# Altium PCB RP2040_ESP32-C3 Dev Board.PcbDoc (part 2 of 2)
Units mm, origin at the board's own origin, x right, y up, seen from the top; angles counter-clockwise.
Board outline 74.1 x 34.1 mm, 6 copper layers (Top Layer, Layer 2, GND Plane, PWR Plane, Layer 5, Bottom Layer), stack 1.412 mm thick; 136 components, 117 nets, 551 pads, 238 vias.
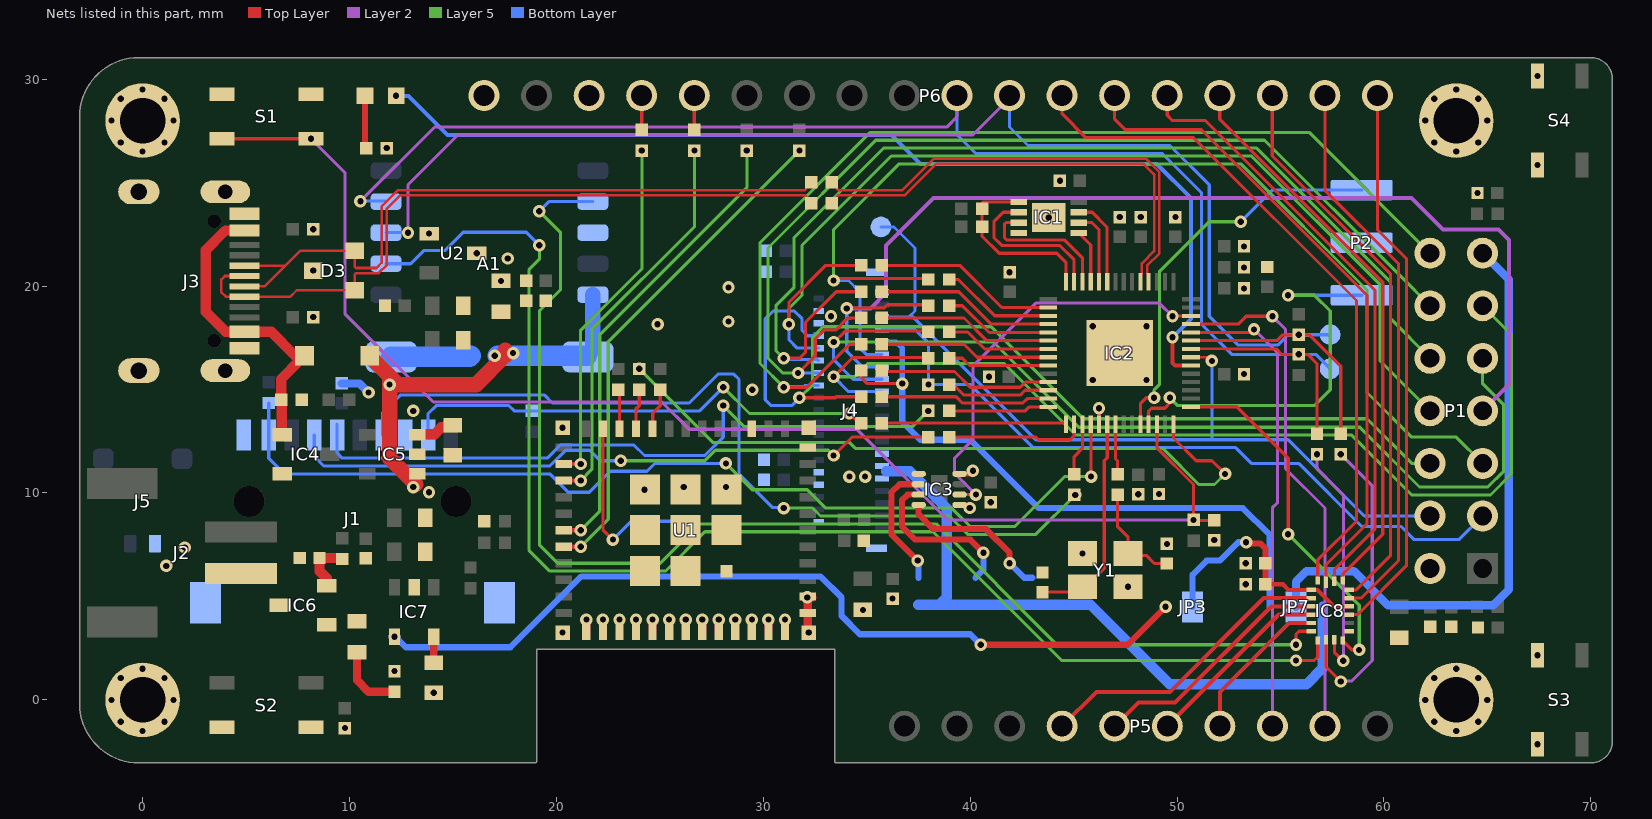
[diagram p6: the nets of this part, all layers, seen from the top]

## Via types
v1: diameter 0.6, hole 0.3, Top Layer to Bottom Layer, tented both sides, 206 vias
v2: diameter 0.5, hole 0.3, Top Layer to Bottom Layer, tented both sides, 32 vias

## Nets (pads, with @x,y where several pads share a name; then routed paths per layer and width w, separated by ;. In a path a pad name is that pad's centre, name@x,y a point inside that pad or via, vN(x,y) a via of type N, cw(c..) or ccw(c..) an arc to the next point about the centre after c; other vN are vias at no path point) (continued)
ESP_TX_RP_RX: IC2.28 R37.2 | length 34.7
  Top Layer w0.15: IC2.28@49.828,13.314 49.828,12.656 50.927,11.557 51.689,11.557 v1(52.324,10.922)
  Layer 5 w0.15: v1(24.003,16.002) 27.559,12.446 34.163,12.446 34.451,12.158 49.31,12.158 51.054,10.414 51.816,10.414 v1(52.324,10.922)
ESP_USB_DN: P6.15 R41.2 | length 1.5
  Top Layer w0.152: R41.2@24.13,27.551 24.126,27.555 24.126,29.079 P6.15@24.13,29.083
ESP_USB_DP: P6.14 R40.2 | length 1.6
  Top Layer w0.152: R40.2@26.67,27.551 26.666,27.555 26.666,28.952 P6.14@26.797,29.083
GND: A1.8 C1.1 C2.1 C3.1 C4.1 C5.1 C6.1 C7.1 C8.1 C9.1 C10.1 C11.1 C12.1 C13.1 C14.1 C15.1 C16.1 C17.1 C18.1 C19.1 C20.1 C21.1 C23.1 C24.1 C25.1 C26.1 C27.1 C28.1 C29.1 C30.1 C31.1 C32.1 C33.1 C34.1 C35.1 C36.1 C37.1 C38.1 C39.1 C40.1 C41.1 C42.1 C43.1 C44.1 D3.3 IC1.4 IC1.9 IC2.19 IC2.57 IC3.1 IC3.4 IC4.3 IC5.2 IC6.1 IC7.2 IC8.11 J1.6 J1.10 J1.S J3.A1/B12 J3.B1/A12 J3.S1 J3.S2 J3.S3 J3.S4 J4.1 J4.4 J4.6 J4.27 J4.38 J4.MP1 J4.MP2 JP1.1 JP2.1 MH1.1 MH2.1 MH3.1 MH4.1 P1.2 P2.2 P6.16 R23.1 R30.1 R45.1 R46.1 R47.1 R50.1 R51.1 S1.3 S1.4 S2.1 S2.2 S3.1 S3.2 S4.1 S4.2 U1.1 U1.2 U1.11 U1.14 U1.36 U1.37 U1.38 U1.39 U1.40 U1.41 U1.42 U1.43 U1.44 U1.45 U1.46 U1.47 U1.48 U1.49_1 U1.49_2 U1.49_3 U1.49_4 U1.49_5 U1.49_6 U1.49_7 U1.49_8 U1.49_9 U1.50 U1.51 U1.52 U1.53 U2.1 Y1.2 Y1.4 | length 13.4
  Top Layer w0.2: IC2.19@46.228,13.314 v1(46.228,14.097)
  Top Layer w0.25: IC3.1@39.49,9.425 39.832,9.425 v1(39.982,9.275) ; IC3.4@39.49,10.925 39.982,10.925 v1(40.132,11.075)
  Top Layer w0.4: U1.36@21.45,3.3 v1(21.45,3.879) ; U1.37@22.25,3.3 v1(22.25,3.879) ; U1.38@23.05,3.3 v1(23.05,3.879) ; U1.39@23.85,3.3 v1(23.85,3.879) ; U1.40@24.65,3.3 v1(24.65,3.879) ; U1.41@25.45,3.3 v1(25.45,3.879) ; U1.42@26.25,3.3 v1(26.25,3.879) ; U1.43@27.05,3.3 v1(27.05,3.879) ; U1.44@27.85,3.3 v1(27.85,3.879) ; U1.45@28.65,3.3 v1(28.65,3.879) ; U1.46@29.45,3.3 v1(29.45,3.879) ; U1.47@30.25,3.3 v1(30.25,3.879) ; U1.48@31.05,3.3 v1(31.05,3.879) ; v1(32.131,4.953) U1.2@32.164,4.986 ; v1(32.2,3.25) 32.15,3.3 U1.1@32.15,4.2 U1.2@32.15,5 ; U1.2@32.15,5 32.338,5 32.385,4.953 32.197,4.953 U1.2@32.164,4.986 ; U1.2@32.15,5 U1.2@32.164,4.986
  Bottom Layer w0.4: C16.1@9.627,15.296 10.485,15.296 v1(10.922,14.859)
  other v1: 67.426,-2.142 9.779,-1.364 14.075,0.345 67.426,2.158 20.3,3.25 34.818,4.35 36.25,4.893 47.635,5.472 53.325,5.588 53.325,6.604 45.435,7.072 49.514,7.541 51.8,7.725 41,9.556 48.128,9.939 49.128,9.953 24.257,10.16 26.162,10.287 28.194,10.287 20.3,13.15 13.081,13.97 29.464,14.986 45.928,15.464 48.528,15.464 40.911,15.621 53.24,15.748 45.928,18.064 48.528,18.064 24.892,18.161 28.321,18.288 8.25,18.5 33.274,18.542 53.24,19.888 28.321,19.939 41.91,20.668 8.25,20.75 53.24,20.904 53.24,21.92 13.848,22.54 8.25,22.75 43.799,23.317 47.228,23.335 48.244,23.335 49.92,23.335 64.525,24.5 44.34,25.095 67.426,25.858 11.803,26.67 67.426,30.158
  other v2: 0,-1.5 63.5,-1.5 -1.061,-1.061 1.061,-1.061 62.439,-1.061 64.561,-1.061 -1.5,0 1.5,0 62,0 65,0 -1.061,1.061 1.061,1.061 62.439,1.061 64.561,1.061 0,1.5 63.5,1.5 0,26.5 63.5,26.5 -1.061,26.939 1.061,26.939 62.439,26.939 64.561,26.939 -1.5,28 1.5,28 62,28 65,28 -1.061,29.061 1.061,29.061 62.439,29.061 64.561,29.061 0,29.5 63.5,29.5
GPIO0: IC2.2 R3.2 | length 8.9
  Top Layer w0.152: R3.2@35.733,21.001 39.499,21.001 41.536,18.964 IC2.2@43.778,18.964
GPIO1: IC2.3 R4.2 | length 5.5
  Top Layer w0.152: R4.2@38.981,20.32 39.43,20.32 41.186,18.564 IC2.3@43.778,18.564
GPIO2: IC2.4 R5.2 | length 8.7
  Top Layer w0.152: R5.2@35.733,19.731 39.451,19.731 41.018,18.164 IC2.4@43.778,18.164
GPIO3: IC2.5 R6.2 | length 5.3
  Top Layer w0.152: R6.2@38.981,19.05 39.624,19.05 40.91,17.764 IC2.5@43.778,17.764
GPIO4: IC2.6 R7.2 | length 8.5
  Top Layer w0.152: R7.2@35.733,18.461 39.705,18.461 40.802,17.364 IC2.6@43.778,17.364
GPIO5: IC2.7 R8.2 | length 5.1
  Top Layer w0.152: R8.2@38.981,17.78 39.878,17.78 40.694,16.964 IC2.7@43.778,16.964
GPIO6: IC2.8 R9.2 | length 8.3
  Top Layer w0.152: R9.2@35.733,17.191 39.705,17.191 40.332,16.564 IC2.8@43.778,16.564
GPIO7: IC2.9 R10.2 | length 4.9
  Top Layer w0.152: R10.2@38.981,16.51 39.624,16.51 39.97,16.164 IC2.9@43.778,16.164
GPIO8: IC2.11 R11.2 | length 8.5
  Top Layer w0.152: R11.2@35.733,15.921 35.779,15.875 39.243,15.875 40.005,15.113 42.418,15.113 42.669,15.364 IC2.11@43.778,15.364
GPIO9: IC2.12 R12.2 | length 5.1
  Top Layer w0.152: R12.2@38.981,15.24 39.197,15.24 39.705,14.732 42.418,14.732 42.65,14.964 IC2.12@43.778,14.964
GPIO10: IC2.13 R13.2 | length 8.3
  Top Layer w0.152: R13.2@35.733,14.651 39.324,14.651 39.624,14.351 42.545,14.351 42.758,14.564 IC2.13@43.778,14.564
GPIO11: IC2.14 R14.2 | length 4.9
  Top Layer w0.152: R14.2@38.981,13.97 42.672,13.97 42.866,14.164 IC2.14@43.778,14.164
GPIO12: IC2.15 R15.2 | length 8.9
  Top Layer w0.152: R15.2@35.733,13.381 44.561,13.381 IC2.15@44.628,13.314
GPIO13: IC2.16 R16.2 | length 6.7
  Top Layer w0.152: R16.2@38.981,12.7 43.18,12.7 43.307,12.573 44.831,12.573 45.028,12.77 IC2.16@45.028,13.314
I2C_SCL: A1.3 IC2.37 P6.8 R19.1 R25.1 TP12.1 | length 70.9
  Top Layer w0.152: IC2.37@50.678,17.364 54.829,17.364 55.11,17.645 v1(55.88,17.645) 56.396,17.645 57.912,16.129 R25.1@57.912,12.873
  Layer 2 w0.15: v1(12.827,22.582) 12.827,24.892 15.24,27.305 40.132,27.305 41.906,29.079 P6.8@41.906,29.21
  Bottom Layer w0.15: A1.3@11.764,22.582 v1(12.827,22.582) ; P6.8@41.906,29.21 41.906,27.69 42.799,26.797 49.657,26.797 51.56,24.894 51.56,18.544 52.959,17.145 54.864,17.145 55.364,17.645 v1(55.88,17.645) 55.884,17.649 57.4,17.649 TP12.1@57.404,17.653
I2C_SDA: A1.4 IC2.36 P6.9 R18.1 R26.1 TP11.1 | length 70.9
  Top Layer w0.127: IC2.36@50.678,16.964 52.324,16.964
  Top Layer w0.152: 52.324,16.964 54.791,16.964 55.053,16.702 v1(55.88,16.702) 56.323,16.702 56.769,16.256 R26.1@56.769,12.873 ; R26.1@56.896,12.873 R26.1@56.904,12.881
  Layer 2 w0.15: v1(10.527,24.106) 14.107,27.686 38.862,27.686 39.366,28.19 P6.9@39.366,29.21
  Bottom Layer w0.15: v1(10.527,24.106) 11.74,24.106 A1.4@11.764,24.082 ; P6.9@39.366,29.21 39.366,27.309 40.259,26.416 49.276,26.416 51.181,24.511 51.181,18.161 52.64,16.702 v1(55.88,16.702) 56.704,16.702 TP11.1@57.404,16.002
IO6: R36.2 U1.20 | length 2
  Top Layer w0.165: U1.20@24.65,13.1 24.65,13.855 25.019,14.224 R36.2@25.019,14.994
IO7: R37.1 U1.21 | length 2
  Top Layer w0.165: U1.21@23.85,13.1 23.85,14.071 24.003,14.224 R37.1@24.003,14.994
IO8: R38.1 U1.22 | length 1.9
  Top Layer w0.165: R38.1@22.987,14.994 23.05,14.931 U1.22@23.05,13.1
IO9: JP2.2 U1.23 | length 8.7
  Top Layer w0.152: U1.23@22.25,13.1 22.25,8.23 v1(22.733,7.747)
  Bottom Layer w0.152: v1(22.733,7.747) 23.622,8.636 JP2.2@25.512,8.636
IO18: R41.1 U1.26 | length 17.2
  Top Layer w0.2: U1.26@20.35,11.4 v1(21.175,11.4)
  Layer 5 w0.15: v1(21.175,11.4) 21.175,17.873 21.908,18.605 24.13,20.828 v1(24.13,26.551)
IO19: R40.1 U1.27 | length 19.1
  Top Layer w0.2: U1.27@20.35,10.6 v1(21.175,10.6)
  Layer 5 w0.15: v1(21.175,10.6) 21.717,11.142 21.717,17.907 26.67,22.86 v1(26.67,26.551)
IO_INT: IC2.29 IC8.10 | length 17.4
  Top Layer w0.165: IC2.29@50.678,14.164 52.892,14.164 55.372,11.684 v1(55.372,8.001) ; IC8.10@58.004,2.863 58.454,2.413 v1(58.801,2.413)
  Layer 5 w0.165: v1(55.372,8.001) 58.801,4.572 v1(58.801,2.413)
LCD_BL_PWM: IC2.40 IC3.2 | length 19.9
  Top Layer w0.152: IC3.2@39.49,9.925 v1(40.28,9.925) ; v1(49.784,18.542) 49.795,18.553 50.667,18.553 IC2.40@50.678,18.564
  Layer 2 w0.152: v1(40.28,9.925) 39.243,10.962 39.243,11.684 40.132,12.573 40.132,16.129 43.18,19.177 49.149,19.177 v1(49.784,18.542)
LCD_DC: J4.7 P1.3 R12.1 | length 34.9
  Bottom Layer w0.152: J4.7@35.74,17.899 37.346,17.899 37.981,17.264 v1(37.981,15.24) 40.005,15.24 43.053,12.192 52.832,12.192 53.594,11.43 55.88,11.43 58.928,8.382 60.833,8.382 61.468,7.747 63.627,7.747 P1.3@64.77,8.89
LCD_RD: J4.8 P1.6 R13.1 | length 48.4
  Top Layer w0.152: v1(31.75,14.605) 33.482,14.605 33.528,14.651 R13.1@34.733,14.651
  Layer 5 w0.152: v1(31.75,14.605) 32.385,15.24 32.385,17.526 32.893,18.034 41.021,18.034 45.466,13.589 59.182,13.589 61.341,11.43 P1.6@62.23,11.43
  Bottom Layer w0.152: v1(31.75,14.605) 31.369,14.224 30.387,14.224 30.099,14.512 30.099,18.415 30.48,18.796 31.496,18.796 31.877,18.415 31.877,17.854 32.131,17.6 J4.8@32.675,17.6
LCD_RESET: IC2.35 J4.5 P1.4 TP7.1 | length 40.9
  Top Layer w0.127: IC2.35@50.678,16.564 51.508,16.564 v1(51.689,16.383)
  Bottom Layer w0.152: TP7.1@35.687,22.86 36.322,22.86 37.338,21.844 37.338,18.796 37.042,18.5 ; J4.5@35.74,18.5 37.042,18.5 ; v1(51.689,16.383) 51.689,12.573 ; P1.4@62.23,8.89 59.055,8.89 55.372,12.573 51.689,12.573 ; 37.042,18.5 37.253,18.5 43.18,12.573 51.689,12.573
LCD_SPI_IO0: J4.10 P1.8 R3.1 | length 51.1
  Top Layer w0.152: v1(31.242,18.161) 31.242,19.223 33.02,21.001 R3.1@34.733,21.001
  Layer 5 w0.15: v1(31.242,18.161) 31.242,18.923 31.877,19.558 31.877,21.971 36.195,26.289 53.594,26.289 59.817,20.066 59.817,16.383 P1.8@62.23,13.97
  Bottom Layer w0.152: v1(31.242,18.161) 31.242,17.399 31.641,17 J4.10@32.675,17
LCD_SPI_IO1: J4.11 P1.5 R4.1 | length 53.7
  Top Layer w0.152: v1(33.401,20.271) 33.496,20.366 37.654,20.366
  Layer 5 w0.15: v1(33.401,20.271) 33.401,22.733 36.576,25.908 53.086,25.908 59.182,19.812 59.182,14.859 61.341,12.7 63.5,12.7 P1.5@64.77,11.43
  Bottom Layer w0.152: v1(33.401,20.271) 34.123,20.271 34.671,19.723 34.671,17 34.971,16.7 J4.11@35.74,16.7
LCD_SPI_IO2: J4.12 P1.10 R5.1 | length 51.8
  Top Layer w0.152: v1(30.988,16.51) 31.75,16.51 32.045,16.805 32.045,18.247 33.528,19.731 R5.1@34.733,19.731
  Layer 5 w0.15: v1(30.988,16.51) 30.607,16.891 30.607,19.05 31.496,19.939 31.496,22.352 35.814,26.67 53.848,26.67 60.325,20.193 60.325,18.415 P1.10@62.23,16.51
  Bottom Layer w0.152: v1(30.988,16.51) 31.044,16.454 32.619,16.454 J4.12@32.675,16.399
LCD_SPI_IO3: J4.13 P1.7 R6.1 | length 53
  Top Layer w0.152: v1(34.036,18.923) 34.052,18.939 35.835,18.939 35.992,19.096 37.654,19.096
  Layer 2 w0.2: v1(34.036,18.923) 35.179,18.923 35.941,19.685 35.941,21.971 38.227,24.257 61.341,24.257 62.865,22.733 65.532,22.733 66.04,22.225 66.04,15.24 P1.7@64.77,13.97
  Bottom Layer w0.152: v1(34.036,18.923) 34.036,16.849 34.785,16.1 J4.13@35.74,16.1
LCD_SPI_IO4: J4.14 P1.12 R7.1 | length 50.2
  Top Layer w0.152: v1(31.686,15.8) 32.512,16.626 32.512,17.445 32.942,17.875 33.496,17.875 34.066,18.445 34.234,18.445 34.249,18.461 R7.1@34.733,18.461
  Layer 5 w0.15: v1(31.686,15.8) 30.936,15.8 30.226,16.51 30.226,21.844 35.433,27.051 54.229,27.051 60.833,20.447 P1.12@62.23,19.05
  Bottom Layer w0.152: v1(31.686,15.8) J4.14@32.675,15.8
LCD_SPI_IO5: J4.15 P1.9 R8.1 | length 49.5
  Top Layer w0.152: v1(33.411,17.296) 33.425,17.296 33.955,17.826 37.654,17.826
  Layer 5 w0.152: v1(33.411,17.296) 41.124,17.296 45.242,13.178 58.831,13.178 61.722,10.287 65.024,10.287 65.786,11.049 65.786,14.266 64.77,15.282 P1.9@64.77,16.51
  Bottom Layer w0.152: v1(33.411,17.296) 33.401,17.286 33.401,16.435 34.336,15.5 J4.15@35.74,15.5
LCD_SPI_IO6: J4.16 P1.14 R9.1 | length 50.6
  Top Layer w0.152: v1(30.988,15.113) 32.1,15.113 34.178,17.191 R9.1@34.733,17.191
  Layer 5 w0.15: v1(30.988,15.113) 29.845,16.256 29.845,22.098 35.179,27.432 56.388,27.432 P1.14@62.103,21.717
  Bottom Layer w0.152: v1(30.988,15.113) 31.94,15.113 32.027,15.2 J4.16@32.675,15.2
LCD_SPI_IO7: J4.17 P1.11 R10.1 | length 52.1
  Top Layer w0.152: v1(33.401,15.621) 34.336,16.556 37.654,16.556
  Layer 5 w0.15: v1(33.401,15.621) 34.417,15.621 35.052,16.256 41.656,16.256 45.115,12.797 58.45,12.797 61.341,9.906 65.151,9.906 66.167,10.922 66.167,17.653 P1.11@64.77,19.05
  Bottom Layer w0.152: v1(33.401,15.621) 34.122,14.9 J4.17@35.74,14.9
LCD_WR: J4.9 JP7.3 R11.1 | length 30.6
  Top Layer w0.152: R11.1@34.733,15.921 34.733,15.586 35.033,15.286 v1(36.719,15.286)
  Bottom Layer w0.25: J4.9@35.74,17.3 36.421,17.3 36.719,17.002 v1(36.719,15.286) ; JP7.3@54.45,4.5 54.45,8.001
  Bottom Layer w0.3: v1(36.719,15.286) 36.719,13.446 37.592,12.573 40.005,12.573 43.307,9.271 53.18,9.271 54.45,8.001
LED: D1.1 IC2.34 | length 49.8
  Top Layer w0.2: v1(49.784,17.526) 49.784,16.291 49.911,16.164 IC2.34@50.678,16.164
  Bottom Layer w0.2: v1(12.25,29.2) 12.263,29.187 12.85,29.187 14.732,27.305 36.2,27.305 37.595,25.911 49.019,25.911 50.673,24.257 50.673,18.415 v1(49.784,17.526)
LED_K: IC3.5 J4.29 J4.30 J4.31 J4.32 JP5.2 JP6.2 JP7.1 JP8.2 | length 32.9
  Bottom Layer w0.5: 35.941,11.049 37.084,11.049 38.862,9.271 38.862,4.953 38.509,4.6 ; JP8.2@37.5,4.6 38.509,4.6 ; JP7.1@57.05,4.5 57.05,1.551 56.261,0.762 49.657,0.762 45.819,4.6 43.279,4.6 JP5.2@43,4.6 JP6.2@40.25,4.6 38.509,4.6
  other v1: 34.163,10.795 34.925,10.795
NetA1_12: A1.12 C27.2 C28.2 JP4.2 U2.2 | length 3.9
  Bottom Layer w1: A1.12@12.014,16.582 15.805,16.582 JP4.2@15.86,16.637
  other v1: 17.324,20.25 17.653,21.336 16.148,21.59
NetC6_2: C6.2 IC2.20 Y1.1 | length 10.5
  Top Layer w0.152: C6.2@43.5,5.207 45.339,5.207 46.482,6.35 46.482,11.557 46.628,11.703 IC2.20@46.628,13.314
NetC9_2: C9.2 R17.1 Y1.3 | length 5.1
  Top Layer w0.152: R17.1@47.128,9.914 47.128,8.371 47.635,7.864 Y1.3@47.635,7.072 47.722,6.985 48.514,6.985 48.908,6.591 C9.2@49.514,6.591
NetC22_1: C22.1 IC6.2 J2.1 J5.2
  other v1: 1.143,6.477 2.032,7.366
NetC22_2: C22.2 IC6.3 R49.2 | length 2.6
  Top Layer w0.5: IC6.3@8.897,5.522 8.897,5.878 8.552,6.223 C22.2@8.552,6.858 9.602,6.858 R49.2@9.652,6.808
NetC29_2: C29.2 R53.1 | length 3.4
  Top Layer w0.4: C29.2@10.362,2.3 10.362,0.949 10.922,0.389 R53.1@12.175,0.389
NetC35_2: C35.2 C36.2 IC8.1 IC8.14 JP3.2 | length 12.1
  Top Layer w0.2: C36.2@54.275,5.588 55.118,5.588 55.388,5.318 IC8.1@56.486,5.318 56.785,5.318 57.585,4.518 IC8.14@58.322,4.518
  Top Layer w0.3: v1(53.34,7.62) 53.397,7.563 54.032,7.563 54.275,7.32 C35.2@54.275,6.604 C36.2@54.275,5.588
  Bottom Layer w0.3: JP3.2@50.75,4.5 50.75,6.046 51.435,6.731 52.07,6.731 52.959,7.62 v1(53.34,7.62)
NetD1_2: D1.2 R23.2 | length 2.6
  Top Layer w0.3: D1.2@10.75,29.2 10.75,26.723 R23.2@10.803,26.67
NetIC2_17: IC2.17 R22.2 | length 2.6
  Top Layer w0.152: R22.2@45.028,10.914 45.028,11.754 45.428,12.154 IC2.17@45.428,13.314
NetIC2_21: IC2.21 R17.2 | length 2.4
  Top Layer w0.152: IC2.21@47.028,13.314 47.028,11.646 47.128,11.546 R17.2@47.128,10.914
NetIC3_6: IC3.6 JP8.1 | length 6.2
  Top Layer w0.3: v1(37.465,6.731) 36.195,8.001 36.195,10.033 36.587,10.425 IC3.6@37.51,10.425
  Bottom Layer w0.3: v1(37.465,6.731) 37.505,6.691 JP8.1@37.505,5.901
NetIC3_7: IC3.7 JP6.1 | length 8
  Top Layer w0.3: IC3.7@37.51,9.925 36.976,9.925 36.703,9.652 36.703,8.382 37.338,7.747 40.002,7.747 40.637,7.112 v1(40.64,7.112)
  Bottom Layer w0.3: JP6.1@40.255,5.901 40.64,6.286 v1(40.64,7.112)
NetIC3_8: IC3.8 JP5.1 | length 7.5
  Top Layer w0.3: IC3.8@37.51,9.425 37.51,8.972 38.227,8.255 40.767,8.255 41.91,7.112 v1(41.91,6.604)
  Bottom Layer w0.3: v1(41.91,6.604) 42.613,5.901 JP5.1@43.005,5.901
NetIC5_3: IC5.3 R46.2 | length 1.9
  Top Layer w0.5: IC5.3@13.265,12.822 13.29,12.847 14.117,12.847 14.442,13.172 14.898,13.172 R46.2@14.998,13.272
NetIC7_5: IC7.5 R51.2 | length 1.3
  Top Layer w0.35: R51.2@14.075,1.795 IC7.5@14.075,3.05
NetIC8_2: IC8.2 P5.4 | length 14.6
  Top Layer w0.2: P5.4@44.45,-1.27 46.101,0.381 49.657,0.381 54.194,4.918 IC8.2@56.486,4.918
NetIC8_3: IC8.3 P5.5 | length 12.3
  Top Layer w0.2: P5.5@46.99,-0.889 P5.5@46.99,-1.27 48.133,-0.127 49.911,-0.127 54.556,4.518 IC8.3@56.486,4.518
NetIC8_4: IC8.4 P5.6 | length 9.2
  Top Layer w0.2: P5.6@49.53,-1.27 54.918,4.118 IC8.4@56.486,4.118
NetIC8_5: IC8.5 P5.7 | length 7.4
  Top Layer w0.2: P5.7@52.07,-1.27 52.07,0.381 55.407,3.718 IC8.5@56.486,3.718
NetIC8_8: IC8.8 R25.2 | length 14.8
  Top Layer w0.15: IC8.8@57.204,2.9 57.204,1.597 v1(57.912,0.889)
  Layer 2 w0.15: v1(57.912,0.889) 57.929,0.906 58.437,0.906 59.436,1.905 59.436,10.349 v1(57.912,11.873)
NetIC8_9: IC8.9 R26.2 | length 11.7
  Top Layer w0.15: IC8.9@57.604,2.9 57.604,2.306 58.018,1.892 v1(58.039,1.892)
  Layer 2 w0.15: v1(56.769,11.873) 56.769,11.176 58.039,9.906 v1(58.039,1.892)
NetIC8_13: IC8.13 P6.1 | length 27.1
  Top Layer w0.15: IC8.13@58.322,4.118 58.728,4.118 61.087,6.477 61.087,21.336 59.686,22.737 P6.1@59.686,29.21
NetIC8_15: IC8.15 P6.2 | length 27.1
  Top Layer w0.15: P6.2@57.146,29.21 57.146,24.642 60.706,21.082 60.706,6.731 58.893,4.918 IC8.15@58.322,4.918
NetIC8_16: IC8.16 P6.3 | length 27.3
  Top Layer w0.15: P6.3@54.606,29.21 54.606,26.293 60.325,20.574 60.325,6.985 58.658,5.318 IC8.16@58.322,5.318
NetIC8_17: IC8.17 P6.4 | length 27.5
  Top Layer w0.15: P6.4@52.066,29.21 52.066,28.071 59.944,20.193 59.944,8.001 58.019,6.076 58.019,5.788 IC8.17@58.004,5.773
NetIC8_18: IC8.18 P6.5 | length 29.4
  Top Layer w0.15: P6.5@49.526,29.21 49.526,28.258 49.784,28 51.375,28 59.563,19.812 59.563,8.255 57.604,6.296 IC8.18@57.604,5.736
NetIC8_19: IC8.19 P6.6 | length 31.6
  Top Layer w0.15: P6.6@46.986,29.21 46.986,28.071 47.498,27.559 51.181,27.559 59.182,19.558 59.182,8.509 57.204,6.531 IC8.19@57.204,5.686
NetIC8_20: IC8.20 P6.7 | length 33.2
  Top Layer w0.152: P6.7@44.446,29.21 44.446,28.325 45.593,27.178 50.8,27.178 58.674,19.304 58.674,8.636 56.804,6.766 IC8.20@56.804,5.773
NetJP7_2: JP7.2 P1.13 | length 29.5
  Bottom Layer w0.4: JP7.2@55.75,4.5 55.75,5.712 56.261,6.223 58.547,6.223 60.198,4.572 65.278,4.572 66.04,5.334 66.04,20.32 P1.13@64.77,21.59
NetR42_1: R42.1 U1.30 | length 22.5
  Top Layer w0.2: U1.30@20.35,8.2 v1(21.175,8.2)
  Layer 5 w0.15: v1(21.175,8.2) 22.098,9.123 22.098,17.653 29.206,24.761 v1(29.206,26.551)
NetR43_1: R43.1 U1.31 | length 24.4
  Top Layer w0.2: U1.31@20.35,7.4 v1(21.175,7.4)
  Layer 5 w0.15: v1(21.175,7.4) 22.509,8.733 22.509,17.314 v1(31.746,26.551)
QSPI_CLK: IC1.6 IC2.52 | length 3.6
  Top Layer w0.152: IC1.6@45.249,23.067 45.894,23.067 46.228,22.733 IC2.52@46.228,20.214
QSPI_CS: IC1.1 IC2.56 R1.2 R2.1 | length 8.9
  Top Layer w0.152: IC1.1@42.349,24.067 40.617,24.067 40.567,24.017 40.567,22.425 41.402,21.59 44.196,21.59 44.628,21.158 IC2.56@44.628,20.214
QSPI_SD0: IC1.5 IC2.53 | length 2.6
  Top Layer w0.152: IC1.5@45.249,22.567 45.828,21.988 IC2.53@45.828,20.214
QSPI_SD1: IC1.2 IC2.55 | length 7.5
  Top Layer w0.152: IC1.2@42.349,23.567 41.601,23.567 41.148,23.114 41.148,22.352 41.529,21.971 44.323,21.971 45.028,21.266 IC2.55@45.028,20.214
QSPI_SD2: IC1.3 IC2.54 | length 6.7
  Top Layer w0.152: IC1.3@42.349,23.067 41.736,23.067 41.656,22.987 41.656,22.352 41.783,22.225 44.577,22.225 45.428,21.374 IC2.54@45.428,20.214
QSPI_SD3: IC1.7 IC2.51 | length 4.3
  Top Layer w0.152: IC1.7@45.249,23.567 45.902,23.567 46.609,22.86 46.609,20.233 IC2.51@46.628,20.214
RESET: C40.2 IC2.26 R27.1 S1.1 S1.2 | length 64.9
  Top Layer w0.15: IC2.26@49.028,13.314 49.028,12.186 50.8,10.414 v1(50.8,8.7) 50.825,8.675 C40.2@51.8,8.675
  Top Layer w0.152: S1.2@3.842,27.126 v1(8.142,27.126)
  Layer 2 w0.15: v1(8.142,27.126) 9.779,25.489 9.779,18.669 14.053,14.395 25.102,14.395 26.416,13.081 34.527,13.081 38.908,8.7 v1(50.8,8.7)
RP2040_GPIO26: IC2.38 P5.8 | length 22.9
  Top Layer w0.15: IC2.38@50.678,17.764 53.578,17.764 v1(53.721,17.907)
  Layer 2 w0.15: v1(53.721,17.907) 54.864,16.764 54.864,9.538 54.61,9.284 P5.8@54.61,-1.27
RP2040_GPIO27: IC2.39 P5.9 | length 25
  Top Layer w0.15: IC2.39@50.678,18.164 52.962,18.164 53.34,18.542 v1(54.61,18.542)
  Layer 2 w0.15: v1(54.61,18.542) 55.245,17.907 55.245,11.176 57.15,9.271 P5.9@57.15,-1.27
SD_CARD_CD: IC2.18 J1.9 R29.1 | length 48.5
  Top Layer w0.152: IC2.18@45.828,13.314 45.838,13.304 45.838,10.804 v1(45.847,10.795)
  Layer 5 w0.152: v1(28.194,11.43) 29.464,10.16 32.131,10.16 33.02,9.271 39.116,9.271 40.005,8.382 42.164,8.382 44.577,10.795 v1(45.847,10.795)
  Bottom Layer w0.152: R29.1@6.098,14.351 J1.9@6.098,12.799 6.098,11.682 6.858,10.922 19.685,10.922 20.574,10.033 21.59,10.033 22.606,11.049 24.384,11.049 24.765,11.43 v1(28.194,11.43)
SD_CARD_CLK: J1.5 R22.1 | length 42.3
  Layer 5 w0.152: v1(30.988,9.271) 32.385,9.271 32.766,8.89 38.989,8.89 39.878,8.001 43.18,8.001 v1(45.085,9.906)
  Bottom Layer w0.152: J1.5@11.598,12.799 11.598,13.884 12.446,14.732 19.431,14.732 19.812,14.351 26.416,14.351 27.813,15.748 28.575,15.748 28.829,15.494 28.829,10.922 30.46,9.291 30.968,9.291 v1(30.988,9.271)
SD_CARD_CS: J1.2 R16.1 | length 32.1
  Top Layer w0.152: v1(33.401,11.811) 34.29,12.7 R16.1@37.981,12.7
  Layer 5 w0.152: v1(23.114,11.557) 27.178,11.557 27.686,12.065 33.147,12.065 v1(33.401,11.811)
  Bottom Layer w0.152: J1.2@8.298,12.799 8.298,11.768 8.763,11.303 19.685,11.303 20.447,12.065 21.607,12.065 22.115,11.557 v1(23.114,11.557)
SD_CARD_RX: J1.7 R15.1 R28.1 | length 23.4
  Top Layer w0.152: v1(34.163,13.843) 34.625,13.381 R15.1@34.733,13.381
  Layer 5 w0.152: v1(28.067,15.113) 29.337,13.843 v1(34.163,13.843)
  Bottom Layer w0.152: J1.7@13.798,12.799 13.798,13.828 14.194,14.224 17.708,14.224 17.962,13.97 26.924,13.97 v1(28.067,15.113)
SD_CARD_TX: J1.3 R14.1 | length 33.2
  Layer 5 w0.152: v1(28.067,14.224) 29.083,13.208 37.211,13.208 v1(37.973,13.97)
  Bottom Layer w0.152: J1.3@9.398,13.335 J1.3@9.398,12.799 9.398,11.938 9.652,11.684 19.558,11.684 20.193,12.319 23.749,12.319 24.257,11.811 27.178,11.811 28.067,12.7 v1(28.067,14.224)
SSPico_ENB: A1.2 IC8.7 | length 66
  Top Layer w0.152: v1(55.753,1.905) 56.642,1.905 56.804,2.067 IC8.7@56.804,2.863
  Layer 5 w0.152: v1(19.177,21.971) 19.177,21.293 18.669,20.785 18.669,7.239 19.685,6.223 25.273,6.223 27.178,8.128 38.203,8.128 44.426,1.905 v1(55.753,1.905)
  Bottom Layer w0.152: A1.2@11.764,21.082 12.954,21.082 13.589,21.717 14.605,21.717 15.494,22.606 18.542,22.606 v1(19.177,21.971)
SSPico_RST: A1.7 IC8.6 | length 61.2
  Top Layer w0.152: v1(55.753,2.667) 55.753,3.175 55.896,3.318 IC8.6@56.486,3.318
  Layer 5 w0.152: v1(19.177,23.622) 20.193,22.606 20.193,19.812 19.177,18.796 19.177,7.493 20.066,6.604 25.019,6.604 26.924,8.509 38.354,8.509 44.196,2.667 v1(55.753,2.667)
  Bottom Layer w0.152: v1(19.177,23.622) 19.637,24.082 A1.7@21.764,24.082
SWCLK: IC2.24 P2.1 | length 19.4
  Top Layer w0.152: IC2.24@48.228,13.314 48.228,14.319 48.514,14.605 v1(48.895,14.605)
  Layer 5 w0.152: v1(48.895,14.605) 48.895,14.986 49.149,15.24 49.149,20.701 51.562,23.114 v1(53.086,23.114)
  Bottom Layer w0.152: v1(53.086,23.114) 54.61,24.638 P2.1@58.928,24.638
SWDIO: IC2.25 P2.3 | length 20
  Top Layer w0.152: IC2.25@48.628,13.314 48.628,13.957 48.768,14.097 49.403,14.097 49.657,14.351 v1(49.657,14.605)
  Layer 5 w0.152: v1(49.657,14.605) 50.038,14.224 56.642,14.224 57.404,14.986 57.404,18.796 56.642,19.558 v1(55.372,19.558)
  Bottom Layer w0.152: v1(55.372,19.558) P2.3@58.928,19.558
USB_N: IC2.46 R21.1 | length 22.5
  Top Layer w0.124: R21.1@33.32,25.019 33.558,24.781 33.558,24.71 33.631,24.637 36.727,24.637 38.25,26.159 48.491,26.159 48.565,26.086 49.146,25.504 49.146,21.587 48.554,20.995 48.554,20.613 48.628,20.539 IC2.46@48.628,20.214
USB_P: IC2.47 R20.1 | length 22.1
  Top Layer w0.124: R20.1@33.32,24.003 33.558,24.241 33.558,24.312 33.631,24.385 36.831,24.385 38.354,25.908 48.387,25.908 48.895,25.4 48.895,21.692 48.302,21.099 48.302,20.613 48.228,20.539 IC2.47@48.228,20.214
USB_VBUS: D2.1 IC4.1 J3.A4/B9 J3.B4/A9 R45.2 | length 15.2
  Top Layer w0.5: J3.A4/B9@4.915,22.688 4.004,22.688 3.048,21.732 3.048,18.76 4.02,17.788 J3.B4/A9@4.915,17.788 6.215,17.788 7.366,16.637 D2.1@7.823,16.637 7.823,16.612 7.623,16.412 7.598,16.412 6.695,15.509 R45.2@6.695,14.5 6.72,14.475 6.72,12.847 IC4.1@6.745,12.822
USB_VCC: A1.10 A1.11 D2.2 IC5.1 IC7.4 JP3.3 JP4.1 P6.18 R53.2 | length 62.7
  Top Layer w0.3: v1(40.513,2.667) 47.617,2.667 v1(49.45,4.5)
  Top Layer w0.75: D2.2@10.973,16.637 10.973,16.612 11.938,15.647 ; v1@13.208,10.414 11.938,11.684 11.938,15.647 ; 17.526,16.891 17.526,16.637 16.129,15.24 12.345,15.24 11.938,15.647
  Bottom Layer w0.3: v1(12.175,3.05) 12.216,3.05 12.726,2.54 17.78,2.54 21.209,5.969 32.766,5.969 33.782,4.953 33.782,4.064 34.671,3.175 40.005,3.175 v1(40.513,2.667)
  Bottom Layer w0.75: A1.11@21.464,16.632 21.764,16.932 A1.10@21.764,19.582
  Bottom Layer w1: JP4.1@17.161,16.632 A1.11@21.464,16.632
  other v1: 12.175,1.389 13.843,10.033 13.081,10.287 11.938,15.24 17.018,16.637 17.907,16.764
USBX_N: D3.2 J3.A7 J3.B7 R21.2 | length 34.2
  Top Layer w0.124: J3.A7@4.915,19.988 5.9,19.988 6.9,20.988 ; J3.B7@4.915,20.988 6.9,20.988 ; R21.2@32.32,25.019 32.082,24.781 32.082,24.71 32.009,24.637 12.343,24.637 11.557,23.851 11.557,21.13 11.303,20.876 10.323,20.876 10.25,20.949 D3.2@10.25,21.7 7.612,21.7 6.9,20.988
USBX_P: D3.1 J3.A6 J3.B6 R20.2 | length 34.7
  Top Layer w0.124: J3.A6@4.915,20.488 3.978,20.488 3.81,20.32 3.81,19.698 4.02,19.488 J3.B6@4.915,19.488 7.138,19.488 7.45,19.8 D3.1@10.25,19.8 10.25,20.551 10.323,20.624 11.407,20.624 11.808,21.026 11.808,23.746 12.447,24.385 32.009,24.385 32.082,24.312 32.082,24.241 R20.2@32.32,24.003
pads on no net: A1.1 A1.5 A1.6 IC3.9 J1. J1.1 J1.8 J2.M J3.A8 J3.B8 J3.None J4.18 J4.19 J4.20 J4.21 J4.22 J4.23 J4.24 J4.25 J4.26 J4.33 J4.34 J4.35 J4.36 J4.37 J4.39 J5.G U1.4 U1.5 U1.7 U1.9 U1.10 U1.15 U1.16 U1.17 U1.24 U1.25 U1.28 U1.29 U1.32 U1.33 U1.34 U1.35
copper on no net: | length 2.6
  Bottom Layer w0.2: -2.286,6.442 -0.981,6.442 ; -1.651,5.807 -1.651,7.077

## Polygon pours and split planes (outlines as drawn)
no net on Bottom Overlay "NONET_L-01_P-001" (hatched 45Degree grid 1 track 0.15): 36.449,20 36.449,8.018 58.861,8.018 63.357,3.521 66.757,3.521 66.757,23.526 66.8,23.569 62.331,23.569 62.331,23.453 58.877,20
GND on Layer 2 "GND_L02_P008" (solid, remove dead copper, pour order 8): -3.048,31 -3.048,-3 71.501,-3 71.501,31
+3V3 on PWR Plane "NONET_L-01_P-001" (solid, remove dead copper, pour order 9): 17.678,31 71.05,31 71.05,-3 14.11,-3 14.11,8.942 14.351,9.183 14.351,11.862 14.021,12.192 11.709,12.192 9.627,14.275 9.627,14.834 9.779,14.986 19.431,14.986 19.431,17.526 12.827,17.526 12.192,18.161 12.192,22.606 17.678,28.092
+1V1 on PWR Plane "+1V1_L04_P005" (solid, pour order 5): 47.498,22.733 47.879,22.352 47.879,15.494 48.514,14.859 48.514,12.954 48.133,12.573 47.371,12.573 46.736,13.208 46.736,19.304 46.228,19.812 46.228,22.606 46.355,22.733
+1V1 on PWR Plane "+1V1_L04_P006" (solid, pour order 6): 48.514,12.954 49.784,11.684 49.784,10.795 49.53,10.541 48.895,10.541 48.641,10.795 48.641,11.176 46.736,13.081 46.736,13.208 48.514,13.208
USB_VCC on PWR Plane "NONET_L-01_P-001" (solid, pour order 10): 19.431,30.796 -3,30.796 -3,-3 19.431,-3
GND on GND Plane "NONET_L-01_P-001" (solid, remove dead copper, pour order 2): 71.05,31 71.05,-3 -3,-3 -3,31
GND on Bottom Layer "NONET_L-01_P-001" (solid, remove dead copper, pour order 0): 71.05,31 71.05,-3 -3,-3 -3,31
GND on Top Layer "NONET_L-01_P-001" (solid, pour order 7): -2.921,31 71.12,31 71.12,-3.05 -3.049,-3.05
GND on Layer 5 "GND_L05_P011" (solid, remove dead copper, pour order 11): -3.048,31 71.12,31 71.12,-3.175 -3,-3.175

## Keep-outs
Keep-Out Layer:
  lines w0.1: 68.5,5 68.5,24 ccw(c67.5,24) 67.5,25 ccw(c67.5,24) 66.5,24 66.5,23 66.5,5 66.5,4 ccw(c67.5,4) 67.5,3 ccw(c67.5,4) 68.5,4 68.5,23

## Other copper
Top Layer:
  drawing of 34 lines, arcs and shapes, not listed
Layer 2:
  pour cut-out: 16.51,-3 16.51,2.788 36.08,2.788 36.08,-3
Layer 5:
  pour cut-out: 16.51,-3 16.51,2.788 36.08,2.788 36.08,-3
Bottom Layer:
  region net GND: 32.425,18.95 32.425,18.05 33.512,18.05 33.528,18.034 33.655,18.161 33.655,18.796 33.501,18.95 32.925,18.95
  region net +3V3: 32.925,19.653 32.004,20.574 32.004,21.59 31.577,22.017 30.782,22.017 30.782,20.018 31.551,19.249 32.925,19.249
  region net NetA1_12: 15.748,21.971 17.78,21.971 18.161,21.59 18.161,20.193 16.36,18.392 16.36,15.887 15.81,15.887 15.187,16.51 14.859,16.51 14.605,16.764 14.605,18.542 15.494,19.431 15.494,21.717
  pour cut-out: 16.51,-3 16.51,2.788 36.08,2.788 36.08,-3
  region net BAT: -1,7.3 -1,9.2 -0.8,9.4 0.5,9.4 0.6,9.3 0.6,8.4 0.5,8.3 0,8.3 -0.2,8.1 -0.2,7.3 -0.3,7.2 -0.9,7.2
  region net NetC22_1: 0.3,7.2 0,6.9 0,6.4 0.5,5.9 2,5.9 2.6,6.5 2.6,7.5 2.125,7.975 0.36,7.975 0.3,7.915
  region: 1145 vertices and 3 holes, not listed, extent 0.726,1.493 2.704,3.471
  region net LED_K: 32.425,11.15 34.747,11.15 35.047,11.45 35.405,11.45 35.405,10.55 35.105,10.25 32.425,10.25
  region net LED_K: 36.449,11.45 36.449,10.541 35.374,10.541 35.374,11.45

## Silkscreen, mask and mechanical layers (free items; w line width, h text height)
Top Overlay:
  lines w0.2: 1.797,13.697 6.745,13.697 ; 7.667,24.558 12.693,24.558 13.836,23.415 ; 12.515,13.422 13.444,14.351 18.034,14.351 18.288,14.351 ; 14.675,3.8 14.675,3.105 15.494,2.286 18.669,2.286 ; 19.685,21.336 32.258,21.336 32.258,13.589 ; 40,8.675 39.984,8.675 39.984,2.794 40.132,2.794 48.895,2.794 ; 41.949,24.717 41.949,25.654 41.949,26.035 42.037,26.035 46.101,26.035 ; 45.974,26.035 51.181,26.035 ; 50.8,9.652 58.404,9.652 58.404,8.493 58.404,5.818 ; 50.828,19.764 50.828,21.999 52.451,23.622 59.69,23.622
  text "USB" at 14.829,28.054 h2 r90
  text "GPIO22" at 9.778,27.436 h1.7
  text "RESET" at 2.929,26.435 h2 r90
  text "W25Q16JVUXIQ" at 41.992,26.435 h2
  text "GPIO20" at 66.469,25.825 h2 r90
  text "VCC" at 16.939,25.074 h2 r90
  text "3V3" at 19.479,25.06 h2 r90
  text "3V3 LDO" at 7.707,24.844 h2
  text "GND" at 22.528,24.511 h2 r90
  text "RP2040" at 53.223,24.038 h2.8
  text "ESP32-C3-MINI" at 19.701,21.879 h2.8
  text "MT9700" at 13.434,14.684 h2
  text "N MOS" at 1.772,14.049 h2
  text "3.7V Li-Po" at -2.423,11.988 h2
  text "IO Expander" at 50.715,10.202 h2
  text "AW9364DNR" at 41.046,3.127 h2
  text "4054" at 15.576,2.619 h2
  text "RP2040-ESP32C3 Dev. Board" at 35.877,0.345 h2.8
  text "BOOT" at 2.969,-1.854 h2 r90
  text "GPIO19" at 66.469,-2.041 h2 r90
Bottom Overlay:
  circle w0.01: c57.404,17.653 r0.682
  circle w0.01: c57.404,16.002 r0.682
  pour cut-out: 56.722,17.653 ccw(c57.404,17.653) 57.404,16.971 ccw(c57.404,17.653) 58.086,17.653 ccw(c57.404,17.653) 57.404,18.335 ccw(c57.404,17.653)
  pour cut-out: 61.281,6.35 ccw(c62.23,6.35) 62.23,5.401 ccw(c62.23,6.35) 63.179,6.35 ccw(c62.23,6.35) 62.23,7.299 ccw(c62.23,6.35)
  pour cut-out: 63.821,8.89 ccw(c64.77,8.89) 64.77,7.941 ccw(c64.77,8.89) 65.719,8.89 ccw(c64.77,8.89) 64.77,9.839 ccw(c64.77,8.89)
  pour cut-out: 61.281,8.89 ccw(c62.23,8.89) 62.23,7.941 ccw(c62.23,8.89) 63.179,8.89 ccw(c62.23,8.89) 62.23,9.839 ccw(c62.23,8.89)
  pour cut-out: 61.281,11.43 ccw(c62.23,11.43) 62.23,10.481 ccw(c62.23,11.43) 63.179,11.43 ccw(c62.23,11.43) 62.23,12.379 ccw(c62.23,11.43)
  pour cut-out: 63.821,11.43 ccw(c64.77,11.43) 64.77,10.481 ccw(c64.77,11.43) 65.719,11.43 ccw(c64.77,11.43) 64.77,12.379 ccw(c64.77,11.43)
  pour cut-out: 63.821,13.97 ccw(c64.77,13.97) 64.77,13.021 ccw(c64.77,13.97) 65.719,13.97 ccw(c64.77,13.97) 64.77,14.919 ccw(c64.77,13.97)
  pour cut-out: 61.281,13.97 ccw(c62.23,13.97) 62.23,13.021 ccw(c62.23,13.97) 63.179,13.97 ccw(c62.23,13.97) 62.23,14.919 ccw(c62.23,13.97)
  pour cut-out: 61.281,16.51 ccw(c62.23,16.51) 62.23,15.561 ccw(c62.23,16.51) 63.179,16.51 ccw(c62.23,16.51) 62.23,17.459 ccw(c62.23,16.51)
  pour cut-out: 63.821,16.51 ccw(c64.77,16.51) 64.77,15.561 ccw(c64.77,16.51) 65.719,16.51 ccw(c64.77,16.51) 64.77,17.459 ccw(c64.77,16.51)
  pour cut-out: 63.821,19.05 ccw(c64.77,19.05) 64.77,18.101 ccw(c64.77,19.05) 65.719,19.05 ccw(c64.77,19.05) 64.77,19.999 ccw(c64.77,19.05)
  pour cut-out: 61.281,19.05 ccw(c62.23,19.05) 62.23,18.101 ccw(c62.23,19.05) 63.179,19.05 ccw(c62.23,19.05) 62.23,19.999 ccw(c62.23,19.05)
  pour cut-out: 61.281,21.59 ccw(c62.23,21.59) 62.23,20.641 ccw(c62.23,21.59) 63.179,21.59 ccw(c62.23,21.59) 62.23,22.539 ccw(c62.23,21.59)
  pour cut-out: 63.821,21.59 ccw(c64.77,21.59) 64.77,20.641 ccw(c64.77,21.59) 65.719,21.59 ccw(c64.77,21.59) 64.77,22.539 ccw(c64.77,21.59)
  pour cut-out: 56.722,16.002 ccw(c57.404,16.002) 57.404,15.32 ccw(c57.404,16.002) 58.086,16.002 ccw(c57.404,16.002) 57.404,16.684 ccw(c57.404,16.002)
  pour cut-out: 63.754,5.08 63.754,2.413 65.278,2.413 65.278,5.08
  pour cut-out: 61.468,5.08 61.468,2.413 62.992,2.413 62.992,5.08
  pour cut-out: 54.991,23.749 56.642,23.749 56.642,19.304 54.991,19.304
  pour cut-out: 56.928,25.638 56.928,18.388 60.928,18.388 60.928,25.638
  region: 36.271,19.71 37.211,20.066 37.211,19.355
  pour cut-out: 63.83,5.401 65.719,5.401 65.719,7.299 63.83,7.299
  pour cut-out: 36.271,20.168 37.516,20.168 37.516,19.253 36.271,19.253
  pour cut-out: 58.15,17.043 58.15,18.288 60.722,18.288 60.722,17.043
  pour cut-out: 58.15,15.392 58.15,16.637 60.722,16.637 60.722,15.392
  pour cut-out: 54.127,13.157 54.127,15.164 45.441,15.164 45.441,13.157
  lines w0.1: 36.271,19.71 37.211,19.355 37.211,20.066 36.271,19.71
  text "2323-r3a" at 13.526,28.566 h3
  text "GND" at 39.97,27.677 h2.8 r90
  text "17" at 42.509,27.677 h2.8 r90
  text "16" at 45.05,27.677 h2.8 r90
  text "15" at 47.583,27.681 h2.8 r90
  text "14" at 50.109,27.681 h2.8 r90
  text "13" at 52.665,27.681 h2.8 r90
  text "12" at 55.208,27.681 h2.8 r90
  text "11" at 57.734,27.681 h2.8 r90
  text "10" at 60.29,27.681 h2.8 r90
  text "E-TX" at 27.269,27.675 h2.8 r90
  text "E-RX" at 29.809,27.675 h2.8 r90
  text "E-D+" at 32.349,27.675 h2.8 r90
  text "E-D-" at 34.889,27.675 h2.8 r90
  text "E5" at 37.423,27.675 h2.8 r90
  text "SBW" at 56.485,23.64 h3 r90
  text "FPC Cable" at 54.127,12.785 h2.8
  text "GND" at 62.659,4.899 h2 r90
  text "3V3" at 64.929,4.658 h2 r90
  text "3V3" at 60.226,3.156 h2.5 r90
  text "E3" at 37.43,2.411 h2.8 r90
  text "E0" at 38.77,2.411 h2.8 r270
  text "E1" at 42.509,2.411 h2.8 r90
  text "00" at 45.05,2.413 h2.8 r90
  text "01" at 47.59,2.413 h2.8 r90
  text "02" at 50.13,2.413 h2.8 r90
  text "03" at 52.67,2.413 h2.8 r90
  text "04" at 55.21,2.413 h2.8 r90
  text "05" at 57.75,2.413 h2.8 r90
  text "μSD" at 11.791,-1.193 h2.8
Top Solder:
  drawing of 17 lines, arcs and shapes, not listed
Bottom Solder:
  drawing of 3 lines, arcs and shapes, not listed
Board Shape:
  lines w0.1: 65,-3 70,-3 ccw(c70,-2) 71,-2 71,3 ; 65,31 70,31 cw(c70,30) 71,30 71,25 71,2.5 ; 65.181,-3 33.5,-3 33.5,2.5 19,2.5 19,-3 -0.181,-3 cw(c-0.181,-0.181) -3,-0.181 -3,28.181 cw(c-0.181,28.181) -0.181,31 4,31 65.181,31
Route Tool Path:
  lines w1.6: -3.85,-0.181 ccw(c-0.181,-0.181) -0.181,-3.85 ; -3.85,28.181 cw(c-0.181,28.181) -0.181,31.85 ; 66.802,31.85 70,31.85 cw(c70,30) 71.85,30 ; 67.183,-3.85 70,-3.85 ccw(c70,-2) 71.85,-2 71.85,0 ; 71.85,28 71.85,30 ; 71.854,30 71.85,30 ; 19.567,-3.615 cw(c19,-3.05) 19,-3.85 ccw(c19,-3.05) 19.566,-3.616 19.567,-3.615 ; 19.567,-3.615 19.615,-3.567 ; 19.615,-3.567 ccw(c19.05,-3) 19.85,-3 ; 19.615,-3.567 19.616,-3.566 ccw(c19.05,-3) 19.85,-3 ; 19.85,-3 19.85,1.65 32.65,1.65 32.65,-3 ; 32.65,-3 ccw(c33.45,-3) 32.884,-3.566 32.885,-3.567 ; 32.65,-3 ccw(c33.45,-3) 32.885,-3.567 ; 32.885,-3.567 32.933,-3.615 ; 32.933,-3.615 ccw(c33.5,-3.05) 33.5,-3.85 cw(c33.5,-3.05) 32.934,-3.616 32.933,-3.615
  lines w2: 67.5,4 67.5,24
Top Dimensions:
  lines w0.013: 61.662,22.88 64.761,19.796 66.741,19.796 ccw(c66.74,20.582) 67.526,20.583 67.525,22.681 cw(c68.416,22.681) 68.416,23.572 ; 61.669,22.88 64.766,19.794 66.746,19.794 ccw(c66.746,20.58) 67.532,20.58 67.532,22.678 cw(c68.423,22.678) 68.423,23.569 ; 61.9,21.25 65.349,21.25 cw(c65.349,18.25) 66.477,21.03 67.233,20.723 ccw(c67.609,21.65) 67.609,20.65 ; 61.9,23.15 67.668,23.15 ; 68.05,3.521 cw(c68.05,4.07) 67.501,4.07 67.501,6.035 ccw(c66.939,6.035) 66.939,6.597 63.151,6.597 ; 68.051,3.524 cw(c68.051,4.073) 67.502,4.073 67.501,6.038 ccw(c66.939,6.037) 66.939,6.599 63.151,6.598 ; 61.9,1.1 12.18,1.1 12.18,26.9 61.9,26.9 ; 61.9,1.1 61.9,26.9 ; 61.9,1.1 61.9,26.9 ; 63.151,6.597 61.626,5.072 63.151,6.598 ; 12.38,1.3 12.38,26.7 61.7,26.7 61.7,1.3 12.38,1.3
  text "A" at 67.496,22.14 h0.5 r90
  text "K" at 67.492,21.299 h0.5 r90
Bottom Component Outline:
  drawing of 422 lines, arcs and shapes, not listed

## Dimensions
-3,28.181 to 71,25 on Top Dimensions
-0.181,31 to -0.181,-3 on Top Dimensions

## Text inside footprints (layer, text, board x,y; h text height)
J1: Bottom Courtyard "uSD Card" at 15.494,-3.605 h2.5